# KiCad board SmartSpin2k_Panelized.kicad_pcb (continued)
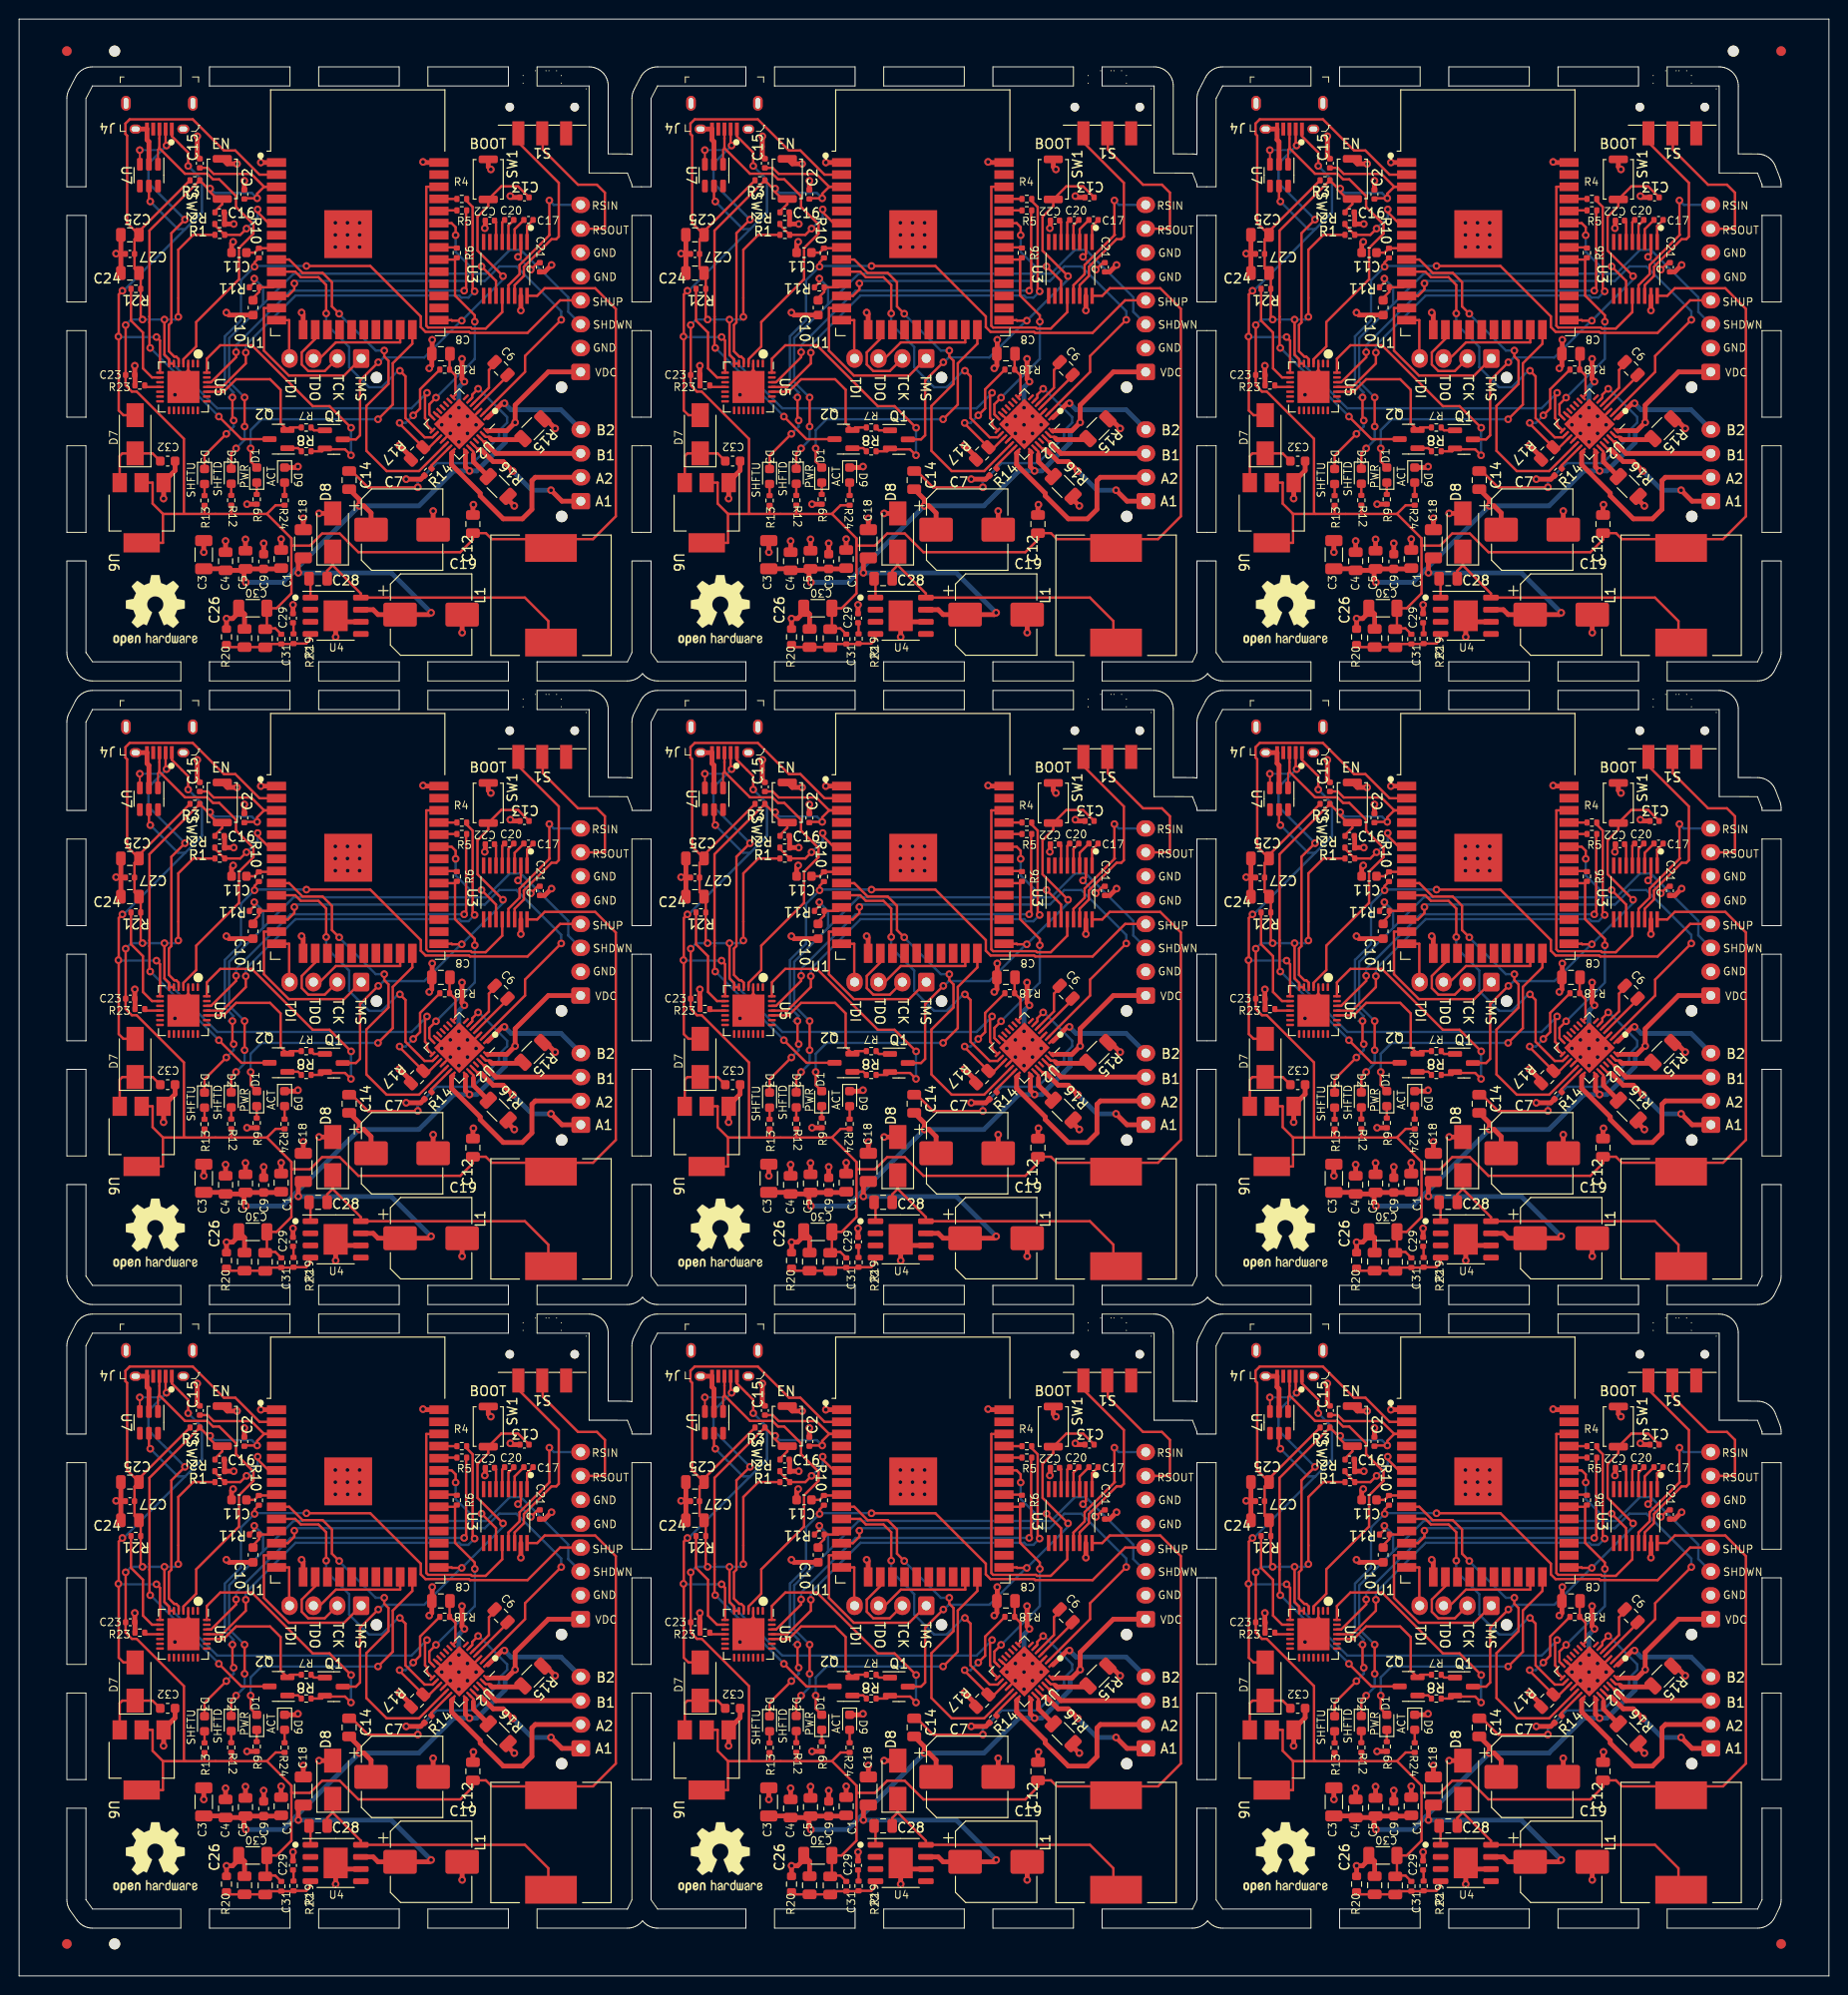
[diagram p0: board, top side]
## Routing (per net, layer and track width the routed paths; a pad name or vN(x,y) marks a point on that pad's centre or on a via; arc(x,y) is an arc through that point) (continued)
Board_6-GND: length 91.3
  Top w0.25: 44.24,32.38 43.7,32.93 U2#7.13 ; 17.7,37.38 U5.3 ; 44.93,30.74 U2#7.18 ; 47.58,32.69 U2#7.3
  Top w0.5: C13#4.2 51.55,55.63 v1(51.42,55.77) ; v1(27.43,19.85) C1#7.2 ; v1(43.34,22.79) C7#2.2 ; U7#7.2 13.59,61.46 13.39,61.66 J4#6.5 J4#6.SH ; v1(56.11,31.43) 55.11,32.44 R15#8.1 ; v1(29.19,27.45) 29.09,27.34 D9#7.1 ; v1(42.28,59.35) 42.43,59.35 42.5,59.28 U1#5.38 ; R16#6.1 51.18,23.99 v1(51.84,23.33) ; v1(15.12,24.09) 15.13,24.1 U6#9.1 15.13,25.83 16.32,27.03 C32#6.1 ; 17.7,37.38 17.7,36.35 v1(16.31,34.96) 16.39,34.96 U5.29 ; v1(55.73,48.55) 55.01,47.83 C21#5.2 ; v1(47.55,23.46) 47.5,23.41 C12#7.2 ; SW2#9.1 21.79,59.15 v1(22.81,59.15) ; C10#8.2 21.96,43.31 v1(21.7,43.58) ; C11#5.2 22.24,50.82 v1(22.41,50.98) ; R23#8.1 12.13,37.01 C23#2.2 v1(12.11,38) ; C3#5.2 19.33,18.48 v1(19.33,18.48) ; R17#8.2 41.02,28.45 v1(39.81,29.66) ; v1(43.24,40.72) 43.24,39.3 C8#5.2 43.2,38 v1(42.93,37.73) ; 10.65,49.71 10.65,49.75 ; 10.65,49.71 C24#5.1 ; 10.65,49.71 C27#3.2 ; 10.65,49.75 C25#5.2 ; 10.65,49.75 v1(10.15,49.75) ; U4#5.9 33.14,11.19 ; 33.14,11.19 v1(33.14,9.61) ; 33.14,11.19 U4#5.6 ; v1(25.6,19.41) C9.2 ; v1(21.61,19.65) C4#2.2 ; D8#4.2 31.4,22.54 v1(31.4,22.54) ; R20#7.2 v1(21.71,11.53) 22.34,11.53 22.98,12.17 C30#7.2 23.6,12 C26#2.2 ; 47.58,32.69 46.96,32.69 v1(46.94,32.71) ; v1(22.47,52.85) R2#8.1 21.51,54.02 C16.2 ; v1(25.3,59.28) U1#5.1 ; v1(52.52,43.79) U3#8.15 ; C18#2.2 v1(29.75,22.02) ; R9#6.1 23.86,23.51 v1(23.86,23.51) ; SW1#8.2 49.11,58.83 v1(49.38,58.56) ; v1(46.38,10.05) C19.2 ; 48.8,53.2 48.8,52.45 v1(48.75,52.4) ; v1(44.24,31.81) 44.24,32.38 ; v1(46.04,31.81) 46.08,31.86 U2#7.29 ; v1(40.52,26.13) 42.04,26.13 R14#8.1 ; C15#6.2 18.65,59.95 v1(18.65,62.03) ; C29#3.2 v1(28.67,12.97) ; 29.73,41.77 29.73,43.41 v1(29.57,43.58) ; v1(34.37,51.7) 34.45,51.78 U1#5.39 ; v1(46.61,36.34) 46.36,36.59 v1(46.36,38.72) ; v1(23.7,19.82) C5#4.2 ; 44.93,30.74 45.11,30.92 v1(45.14,30.92) ; v1(23.58,57.37) C2#2.2
  Bottom w0.5: v1(46.04,33.61) 46.04,35.76 v1(46.61,36.34)
  vias: v1(33.1,52.97) v1(33.1,51.7) v1(33.1,50.43) v1(34.37,52.97) v1(34.4,50.43) v1(35.64,52.97) v1(35.64,51.7) v1(35.64,50.43) v1(45.14,32.71) v1(46.04,30.02) v1(46.94,30.92) v1(47.83,31.81)
Board_6-Net-(C6-Pad1): length 5.4
  Top w0.25: C6#5.1 49.78,38.15 49.18,37.56 49.18,35.7 47.47,33.99 U2#7.5
Board_6-Net-(C6-Pad2): length 4.8
  Top w0.25: C6#5.2 51.12,36.93 U2#7.4
Board_6-Net-(C10-Pad1): length 3.6
  Top w0.25: C10#8.1 24.49,45.1 25.13,45.74 R11#7.1 26.58,46.22 U1#5.11
Board_6-Net-(C11-Pad1): length 3.4
  Top w0.25: C11#5.1 24.64,49.85 R10#3.1 26.86,50.31 U1#5.8
Board_6-Net-(C14-Pad2): length 27.3
  Top w0.25: v1(41.74,25.28) 41.72,25.26 36.53,25.26 34.82,26.97 C14#7.2 ; U2#7.6 47.44,34.66 47.44,34.98 v1(48.05,35.59)
  Bottom w0.25: v1(41.74,25.28) 41.72,25.29 41.72,25.82 43.7,27.8 47.48,27.8 50.23,30.55 50.23,31.19 51.08,32.04 51.08,32.63 48.12,35.59 v1(48.05,35.59)
Board_6-Net-(C17-Pad1): length 2.7
  Top w0.25: C17#2.1 51.87,52.3 U3#8.3
Board_6-Net-(C17-Pad2): length 2.6
  Top w0.25: C17#2.2 53.8,53.26 53.17,52.63 U3#8.1
Board_6-Net-(C20-Pad1): length 2.4
  Top w0.25: U3#8.5 50.57,53.02 C20#3.1
Board_6-Net-(C20-Pad2): length 2.5
  Top w0.25: U3#8.4 51.22,52.7 51.78,53.26 C20#3.2
Board_6-Net-(C21-Pad1): length 4.8
  Top w0.25: C21#5.1 54.29,48.79 v1(53.56,48.06) ; v1(52.22,49.41) 52.52,49.71 U3#8.2
  Bottom w0.25: v1(53.56,48.06) v1(52.22,49.41)
Board_6-Net-(C22-Pad1): length 2.3
  Top w0.25: 49.76,53.2 49.92,53.04 U3#8.6
Board_6-Net-(C26-Pad1): length 9.8
  Top w0.25: U4#5.4 30.5,9.35 30.06,8.91 R19#6.1 28.68,8.87 R22.1 26.11,8.87 C31#4.1 25.74,8.54 C26#2.1 21.95,8.54 21.71,8.78
Board_6-Net-(C28-Pad1): length 2
  Top w0.25: C28#8.1 30.5,15.56 U4#5.1
Board_6-Net-(C28-Pad2): length 31.4
  Top w0.25: 32.83,17.75 32.83,17.1 35.77,14.16 U4#5.8 52.94,13.73 55.4,11.27 55.4,8.85 ; 32.83,17.75 D8#4.1 ; 32.83,17.75 32.83,17.12 32.25,16.54 C28#8.2
Board_6-Net-(C29-Pad1): length 1.2
  Top w0.25: R19#6.2 28.73,11.03 C29#3.1
Board_6-Net-(D1-Pad1): length 1.2
  Top w0.25: D1#5.1 24.87,24.53
Board_6-Net-(D1-Pad2): length 28.8
  Top w0.25: v1(37.57,32.4) 39.11,33.94 39.11,38.26 41.16,40.31 U1#5.24 ; v1(24.24,29.35) 24.24,27.98 D1#5.2
  Bottom w0.25: v1(24.24,29.35) 24.24,31.26 25.38,32.4 v1(37.57,32.4)
Board_6-Net-(D2-Pad2): length 1.2
  Top w0.25: R12#4.1 D2#8.2
Board_6-Net-(D3-Pad2): length 1.2
  Top w0.25: D3#6.2 R13#4.2
Board_6-Net-(D9-Pad2): length 1.4
  Top w0.25: R24#8.1 D9#7.2
Board_6-Net-(J2-Pad1): length 17.8
  Top w0.25: J2#5.1 34.02,36.98 28.23,36.98 25.62,39.59 25.62,44.04 U1#5.13
Board_6-Net-(J2-Pad2): length 8.8
  Top w0.25: J2#5.2 31.99,37.45 30.27,37.45 29.58,38.13 29.58,39.4 31,40.82 U1#5.16
Board_6-Net-(J2-Pad3): length 11.1
  Top w0.25: U1#5.23 39.89,40.45 33.15,40.45 31.47,38.77 J2#5.3
Board_6-Net-(J2-Pad4): length 5.4
  Top w0.25: U1#5.14 28.27,42.77 28.27,38.77 J2#5.4
Board_6-Net-(Q1-Pad1): length 1.6
  Top w0.25: Q1#9.1 30.86,31.24 R7#8.1
Board_6-Net-(Q2-Pad1): length 1.6
  Top w0.25: Q2#8.1 28.1,29.38 29.21,29.38 R8#9.2
Board_6-Net-(R1-Pad2): length 9.4
  Top w0.25: R2#8.2 20.49,52.74 R1#9.2 23.15,51.71 v1(23.81,52.36) ; U1#5.6 26.12,52.93 24.97,54.08 v1(24.97,54.37)
  Bottom w0.25: v1(23.81,52.36) 24.97,53.53 v1(24.97,54.37)
Board_6-Net-(R4-Pad1): length 1.9
  Top w0.25: R4#5.1 43.95,55.47 U1#5.35
Board_6-Net-(R5-Pad1): length 1.9
  Top w0.25: U1#5.34 44.01,54.27 R5#2.1
Board_6-Net-(R14-Pad2): length 3
  Top w0.25: U2#7.20 43.16,27.56 43.16,27.25
Board_6-Net-(R17-Pad1): length 13.4
  Top w0.25: v1(41.26,32.81) 41.98,33.53 41.98,35.54 R18#7.2 ; v1(39.83,32.02) 39.83,31.94 R17#8.1 42.95,29.46 U2#7.17
  Bottom w0.25: v1(39.83,32.02) 40.46,32.02 v1(41.26,32.81)
Board_6-Net-(R21-Pad2): length 11
  Top w0.25: U5.9 13.91,36.78 12.96,37.73 12.96,41.48 11.71,42.73 R21#7.2
Board_6-Net-(R23-Pad2): length 1.7
  Top w0.25: U5.11 13.31,35.78 R23#8.2
Board_6-Net-(S1-Pad3): length 20.9
  Top w0.25: U3#8.14 51.87,46.45 52.84,47.41 52.84,48.36 55.73,51.26 56.23,51.26 56.5,51.53 56.5,57.16 52.18,61.47 52.18,62.22
Board_7-/A1: length 13.8
  Top w0.25: 107.26,29.2 107.22,29.2 U2#9.24
  Top w0.5: J1#2.1 115.98,23.82 v1(114.83,24.97) ; 107.26,29.2 107.54,29.2 108.77,27.97 109.83,27.97 v1(110.83,26.97)
  Bottom w0.5: v1(110.83,26.97) 112.83,24.97 v1(114.83,24.97)
Board_7-/A2: length 21.1
  Top w0.25: 104.55,28.97 U2#9.21
  Top w0.5: 104.55,28.97 104.42,28.84 104.42,27.65 107.42,24.65 107.42,24.38 109.83,21.97 111.83,21.97 112.83,22.97 112.83,25.97 113.18,26.32 J1#2.2
Board_7-/B1: length 11.3
  Top w0.25: 107.9,30.01 107.82,30.01 U2#9.26
  Top w0.5: J1#2.3 109.06,28.82 107.92,29.96
Board_7-/B2: length 11.7
  Top w0.25: 108.21,32.57 U2#9.1
  Top w0.5: v1(109.96,34.08) 109.71,34.08 108.21,32.57
  Bottom w0.5: v1(109.96,34.08) 110.64,33.39 115.88,33.39 J1#2.4
Board_7-/BRA: length 3.9
  Top w0.25: U2#9.23 106.7,29 106.7,28.72
  Top w0.5: 106.7,28.72 106.7,27.95 R16#4.2
Board_7-/BRB: length 4.5
  Top w0.25: U2#9.27 107.99,30.55 108.35,30.55 108.48,30.42
  Top w0.5: 108.48,30.42 108.64,30.26 111.78,30.26 R15#5.2
Board_7-/D+: length 35.2
  Top w0.2: 73.84,60.78 73.69,60.64 U7#8.1
  Top w0.25: J4.3 73.84,60.78 76.51,58.11 78.86,58.11 79.44,57.53 80.1,57.53 81.86,55.77 81.86,54.63 83.68,52.81 83.68,51.84 82.17,50.33 82.17,47.05 77.69,42.58 77.69,40.02 76.35,38.68 U5#4.4
Board_7-/D-: length 32.7
  Top w0.2: U7#8.3 71.79,60.57 v1(71.78,60.58)
  Top w0.25: v1(76.51,53.31) 75.09,51.88 75.09,42.54 74.83,42.28 74.83,39.52 75.39,38.95 75.6,38.95 75.85,38.7 U5#4.5 ; v1(74.58,61.06) 74.49,61.16 J4.2
  Bottom w0.2: v1(71.78,60.58) 74.1,60.58 v1(74.58,61.06)
  Bottom w0.25: v1(76.51,53.31) 72.69,57.13 72.69,59.17 v1(74.58,61.06)
Board_7-/DriverDIR: length 38.8
  Top w0.25: U2#9.19 101.02,26.97 97.62,26.97 95.5,29.1 95.5,33.8 97.81,36.11 97.81,38.52 97.37,38.96 v1(97.37,39.59) ; v1(92.66,43.45) 91.9,44.21 91.9,46.75 90.92,47.72 88.82,47.72 87.42,49.12 U1#9.9
  Bottom w0.25: v1(97.37,39.59) 96.48,39.59 92.66,43.42 v1(92.66,43.45)
Board_7-/DriverEN: length 47.6
  Top w0.25: U1#9.12 87.28,45.31 87.96,45.99 v1(87.96,46.62) ; v1(115.9,42.81) 112.11,39.03 112.11,37.36 U2#9.2
  Bottom w0.25: v1(87.96,46.62) 88.21,46.88 107.9,46.88 109.42,48.4 111.2,48.4 115.9,43.7 v1(115.9,42.81)
Board_7-/DriverSTEP: length 31.7
  Top w0.25: U1#9.10 88.06,47.85 88.64,47.27 90.48,47.27 91.29,46.46 v1(91.29,43.48) ; U2#9.16 102.43,30.5 101.61,30.5 99.6,32.51 99.6,36.89 v1(99.01,37.48)
  Bottom w0.25: v1(91.29,43.48) 91.29,42.37 93.7,39.97 93.7,37.83 95.78,35.75 97.1,35.75 98.83,37.48 v1(99.01,37.48)
Board_7-/DTR: length 28.2
  Top w0.25: v1(93.9,31.51) 91.64,33.77 89.89,33.77 83.51,40.15 80.21,40.15 78.8,38.74 U5#4.28 ; v1(93.89,28.63) 93.27,29.25 91.25,29.25 Q1#8.2 90.87,29.05 R8#7.1
  Bottom w0.25: v1(93.9,31.51) 93.89,31.5 v1(93.89,28.63)
Board_7-/EN: length 59.6
  Top w0.25: v1(80.06,32.68) 82.42,30.32 85.3,30.32 ; v1(72.87,39.87) 72.8,39.94 72.8,42.54 72.8,42.54 72.8,43.14 72.8,43.14 72.8,52.16 R3#7.2 78.93,56.55 v1(79.15,56.55) 79.15,56.2 79.88,55.47 SW2.2 80.42,54.93 79.66,54.17 C16#6.1 ; C2#4.1 82.73,55.46 82.81,55.54 v1(84.07,55.54) 84.07,56.02 84.8,56.74 U1#9.3 84.8,56.74 83.45,58.09 79.51,58.09 78.89,58.72 C15.1
  Bottom w0.25: v1(72.87,39.87) 72.9,39.87 80.06,32.7 v1(80.06,32.68) ; v1(84.07,55.54) 83.51,56.1 79.6,56.1 v1(79.15,56.55)
Board_7-/IO0_BOOT: length 44.7
  Top w0.25: v1(96.75,38.37) 94.84,36.46 94.84,30.72 94.41,30.29 Q1#8.3 ; C13#8.1 112.53,55.64 111.38,56.78 109.62,56.78 SW1.1 108.26,54.73 107.14,53.61 107.14,50.05 v1(109.8,47.39) ; v1(105.48,42.72) 104.47,42.72 104.42,42.77 U1#9.25
  Bottom w0.25: v1(109.8,47.39) 109.8,47.04 v1(105.48,42.72) 105.42,42.72 101.57,38.87 97.31,38.87 96.81,38.37 v1(96.75,38.37)
Board_7-/R1OUT: length 26.4
  Top w0.25: U3.12 109.72,43.62 107.99,41.89 106.55,41.89 106.44,42 101.96,42 101.77,42.19 101.77,56.74 U1#9.36
Board_7-/REG_5V: length 7.5
  Top w0.25: U6#4.3 69.68,28.55 69.96,28.82 D7#7.1 73.12,28.82 C32#5.2
Board_7-/RS232IN1: length 15.3
  Top w0.25: U3.13 110.37,46.43 111.54,47.6 111.54,48.55 114.7,51.71 114.65,51.75 v1(114.65,55.31)
  Bottom w0.25: J3#3.8 115.11,54.85 v1(114.65,55.31)
Board_7-/RS232OUT1: length 16.4
  Top w0.25: 113.83,62.22 113.97,62.08 113.97,60.65 117.65,56.96 119.63,56.96 120.47,56.12 120.47,52.31 120.43,52.35 J3#3.7
Board_7-/RTS: length 14.8
  Top w0.25: R7#5.2 87.51,31.54 Q2#7.2 86.52,31.98 86.52,35.48 85.42,36.59 81.86,36.59 80.55,35.28 U5#4.24
Board_7-/RXD0: length 40.2
  Top w0.25: R5#3.2 105.94,54.21 105.94,46.07 v1(105.74,45.86) ; v1(81.86,39.42) 81.86,38.89 79.25,36.28 U5#4.26
  Bottom w0.25: v1(81.86,39.42) 81.86,40.15 87.58,45.86 v1(105.74,45.86)
Board_7-/ShiftDown: length 63.9
  Top w0.25: v1(81.86,29.35) 81.36,28.84 D2#4.1 ; R11#8.2 83.77,46.73 v1(83.77,47.13) ; v1(82.75,34.69) v1(82.75,31.64)
  Bottom w0.25: 84.68,44.44 81.14,40.89 81.14,36.3 v1(82.75,34.69) ; 84.68,44.44 87.88,47.64 108.02,47.64 110.52,50.13 111.67,50.13 116.63,45.17 116.63,43.65 J3#3.3 ; 84.68,44.44 84.68,46.22 v1(83.77,47.13) ; v1(81.86,29.35) 82.75,30.24 v1(82.75,31.64)
Board_7-/ShiftUp: length 65
  Top w0.25: v1(80.84,30.87) 78.56,28.59 D3#2.1 ; v1(89.23,48.45) 89.23,48.45 95.91,48.45 101.2,43.16 101.2,42.05 101.7,41.55 106.26,41.55 106.36,41.44 112.37,41.44 115.78,44.85 J3#3.4 ; R10#9.2 83.79,48.83 v1(83.79,48.38) ; v1(81.48,34.69) 81.48,32.4 v1(81.61,32.27)
  Bottom w0.25: v1(81.61,32.27) 81.61,31.64 v1(80.84,30.87) ; v1(89.23,48.45) 89.22,48.45 83.87,48.45 v1(83.79,48.38) 82.37,46.95 82.37,42.76 80.69,41.08 80.69,36.11 81.6,35.2 81.09,34.69 v1(81.48,34.69)
Board_7-/T1IN: length 11.6
  Top w0.25: U1#9.33 104.42,52.93 104.85,52.51 v1(104.85,51.67) ; U3.11 109.07,46.88 v1(107.56,48.4)
  Bottom w0.25: v1(107.56,48.4) 106.37,48.4 104.85,49.93 v1(104.85,51.67)
Board_7-/TMCUART1: length 21.5
  Top w0.25: v1(102.79,34.66) 102.09,33.97 102.09,32.91 U2#9.14 ; 104.78,49.12 R6#8.1 ; 104.78,49.12 U1#9.30 ; 104.78,49.12 104.78,45.35 106.85,43.28 v1(106.85,42.62)
  Bottom w0.25: v1(106.85,42.62) 106.85,38.72 v1(102.79,34.66)
Board_7-/TMCUART2: length 1.9
  Top w0.25: U1#9.31 104.91,50.39 R6#8.2
Board_7-/TXD0: length 43.5
  Top w0.25: v1(106.83,45.79) 106.63,46 106.63,54.62 106,55.25 R4#8.2 ; v1(82.88,39.38) 82.88,38.24 80.42,35.78 U5#4.25
  Bottom w0.25: v1(106.83,45.79) 106.18,45.14 105.44,45.14 105.22,45.35 88.09,45.35 82.88,40.15 v1(82.88,39.38)
Board_7-/VDC: length 92.1
  Top w0.25: U2#9.28 108.17,31.21 108.18,31.21 ; 105.87,29.02 105.87,29.04 U2#9.22
  Top w0.5: C7#4.1 95.99,22.59 95.25,23.33 v1(94.76,23.33) 94.76,24.01 C14#5.1 ; 82.69,16.58 C5#9.1 82.85,16.73 C9#2.1 86.5,16.73 C1#8.1 ; 82.69,16.58 82.69,15.51 v1(82.88,15.32) ; 82.69,16.58 C4#3.1 80.6,16.75 C3.1 ; U4#3.7 96.22,12.46 96.73,11.94 C19#7.1 102.08,11.94 v1(102.28,12.14) ; C18#9.1 88.38,17.36 v1(88.38,16.32) ; J3#3.1 114.55,37.35 111.07,33.88 v1(111.07,32.07) 110.21,31.21 108.18,31.21 ; v1(106.3,26.99) 105.87,27.42 105.87,29.02
  Bottom w0.5: v1(82.88,15.32) 86.75,15.32 88.06,16.63 ; 88.06,16.63 v1(94.76,23.33) 101,23.33 104.65,26.99 v1(106.3,26.99) 107.06,26.99 110.03,29.96 110.03,31.03 v1(111.07,32.07) ; 88.06,16.63 88.37,16.32 v1(88.38,16.32) 88.39,16.31 98.11,16.31 v1(102.28,12.14)
Board_7-GND: length 91.3
  Top w0.25: 103.39,32.38 102.85,32.93 U2#9.13 ; 76.85,37.38 U5#4.3 ; 104.08,30.74 U2#9.18 ; 106.73,32.69 U2#9.3
  Top w0.5: C13#8.2 110.7,55.63 v1(110.56,55.77) ; v1(86.58,19.85) C1#8.2 ; v1(102.49,22.79) C7#4.2 ; U7#8.2 72.74,61.46 72.54,61.66 J4.5 J4.SH ; v1(115.26,31.43) 114.26,32.44 R15#5.1 ; v1(88.34,27.45) 88.24,27.34 D9#9.1 ; v1(101.43,59.35) 101.58,59.35 101.65,59.28 U1#9.38 ; R16#4.1 110.33,23.99 v1(110.99,23.33) ; v1(74.27,24.09) 74.28,24.1 U6#4.1 74.28,25.83 75.47,27.03 C32#5.1 ; 76.85,37.38 76.85,36.35 v1(75.46,34.96) 75.54,34.96 U5#4.29 ; v1(114.88,48.55) 114.16,47.83 C21#8.2 ; v1(106.7,23.46) 106.65,23.41 C12.2 ; SW2.1 80.94,59.15 v1(81.96,59.15) ; C10#7.2 81.11,43.31 v1(80.85,43.58) ; C11#6.2 81.39,50.82 v1(81.56,50.98) ; R23#2.1 71.28,37.01 C23.2 v1(71.26,38) ; C3.2 78.48,18.48 v1(78.48,18.48) ; R17#9.2 100.17,28.45 v1(98.96,29.66) ; v1(102.39,40.72) 102.39,39.3 C8#7.2 102.35,38 v1(102.08,37.73) ; 69.8,49.71 69.8,49.75 ; 69.8,49.71 C24.1 ; 69.8,49.71 C27#9.2 ; 69.8,49.75 C25#9.2 ; 69.8,49.75 v1(69.3,49.75) ; U4#3.9 92.29,11.19 ; 92.29,11.19 v1(92.29,9.61) ; 92.29,11.19 U4#3.6 ; v1(84.75,19.41) C9#2.2 ; v1(80.76,19.65) C4#3.2 ; D8#6.2 90.55,22.54 v1(90.55,22.54) ; R20#9.2 v1(80.86,11.53) 81.49,11.53 82.14,12.17 C30#8.2 82.75,12 C26#8.2 ; 106.73,32.69 106.11,32.69 v1(106.09,32.71) ; v1(81.62,52.85) R2#2.1 80.66,54.02 C16#6.2 ; v1(84.45,59.28) U1#9.1 ; v1(111.67,43.79) U3.15 ; C18#9.2 v1(88.9,22.02) ; R9#7.1 83.01,23.51 v1(83.01,23.51) ; SW1.2 108.26,58.83 v1(108.53,58.56) ; v1(105.53,10.05) C19#7.2 ; C22#8.2 107.95,52.45 v1(107.9,52.4) ; v1(103.39,31.81) 103.39,32.38 ; v1(105.19,31.81) 105.23,31.86 U2#9.29 ; v1(99.67,26.13) 101.19,26.13 R14#2.1 ; C15.2 77.8,59.95 v1(77.8,62.03) ; C29#5.2 v1(87.82,12.97) ; U1#9.15 88.88,43.41 v1(88.72,43.58) ; v1(93.52,51.7) 93.6,51.78 U1#9.39 ; v1(105.76,36.34) 105.51,36.59 v1(105.51,38.72) ; v1(82.85,19.82) C5#9.2 ; 104.08,30.74 104.26,30.92 v1(104.29,30.92) ; v1(82.73,57.37) C2#4.2
  Bottom w0.5: v1(105.19,33.61) 105.19,35.76 v1(105.76,36.34)
  vias: v1(92.25,52.97) v1(92.25,51.7) v1(92.25,50.43) v1(93.52,52.97) v1(93.55,50.43) v1(94.79,52.97) v1(94.79,51.7) v1(94.79,50.43) v1(104.29,32.71) v1(105.19,30.02) v1(106.09,30.92) v1(106.98,31.81)
Board_7-Net-(C6-Pad1): length 5.4
  Top w0.25: C6#3.1 108.93,38.15 108.33,37.56 108.33,35.7 106.62,33.99 U2#9.5
Board_7-Net-(C6-Pad2): length 4.8
  Top w0.25: C6#3.2 110.27,36.93 U2#9.4
Board_7-Net-(C10-Pad1): length 3.6
  Top w0.25: C10#7.1 83.64,45.1 84.28,45.74 R11#8.1 85.73,46.22 U1#9.11
Board_7-Net-(C11-Pad1): length 3.4
  Top w0.25: C11#6.1 83.79,49.85 R10#9.1 86.01,50.31 U1#9.8
Board_7-Net-(C14-Pad2): length 27.3
  Top w0.25: v1(100.89,25.28) 100.87,25.26 95.68,25.26 93.97,26.97 C14#5.2 ; U2#9.6 106.59,34.66 106.59,34.98 v1(107.2,35.59)
  Bottom w0.25: v1(100.89,25.28) 100.87,25.29 100.87,25.82 102.85,27.8 106.63,27.8 109.38,30.55 109.38,31.19 110.23,32.04 110.23,32.63 107.27,35.59 v1(107.2,35.59)
Board_7-Net-(C17-Pad1): length 2.7
  Top w0.25: C17#5.1 111.02,52.3 U3.3
Board_7-Net-(C17-Pad2): length 2.6
  Top w0.25: C17#5.2 112.95,53.26 112.32,52.63 U3.1
Board_7-Net-(C20-Pad1): length 2.4
  Top w0.25: U3.5 109.72,53.02 C20#5.1
Board_7-Net-(C20-Pad2): length 2.5
  Top w0.25: U3.4 110.37,52.7 110.93,53.26 C20#5.2
Board_7-Net-(C21-Pad1): length 4.8
  Top w0.25: C21#8.1 113.44,48.79 v1(112.71,48.06) ; v1(111.37,49.41) 111.67,49.71 U3.2
  Bottom w0.25: v1(112.71,48.06) v1(111.37,49.41)
Board_7-Net-(C22-Pad1): length 2.3
  Top w0.25: C22#8.1 109.07,53.04 U3.6
Board_7-Net-(C26-Pad1): length 9.8
  Top w0.25: U4#3.4 89.65,9.35 89.21,8.91 R19#7.1 87.83,8.87 R22#7.1 85.26,8.87 C31#9.1 84.89,8.54 C26#8.1 81.11,8.54 80.86,8.78
Board_7-Net-(C28-Pad1): length 2
  Top w0.25: C28#4.1 89.65,15.56 U4#3.1
Board_7-Net-(C28-Pad2): length 31.4
  Top w0.25: 91.98,17.75 91.98,17.1 94.92,14.16 U4#3.8 112.09,13.73 114.55,11.27 114.55,8.85 ; 91.98,17.75 D8#6.1 ; 91.98,17.75 91.98,17.12 91.4,16.54 C28#4.2
Board_7-Net-(C29-Pad1): length 1.2
  Top w0.25: R19#7.2 87.88,11.03 C29#5.1
Board_7-Net-(D1-Pad1): length 1.2
  Top w0.25: D1#9.1 84.02,24.53
Board_7-Net-(D1-Pad2): length 28.8
  Top w0.25: v1(96.72,32.4) 98.26,33.94 98.26,38.26 100.31,40.31 U1#9.24 ; v1(83.39,29.35) 83.39,27.98 D1#9.2
  Bottom w0.25: v1(83.39,29.35) 83.39,31.26 84.53,32.4 v1(96.72,32.4)
Board_7-Net-(D2-Pad2): length 1.2
  Top w0.25: R12#7.1 D2#4.2
Board_7-Net-(D3-Pad2): length 1.2
  Top w0.25: D3#2.2 R13#3.2
Board_7-Net-(D9-Pad2): length 1.4
  Top w0.25: R24#2.1 D9#9.2
Board_7-Net-(J2-Pad1): length 17.8
  Top w0.25: J2#3.1 93.17,36.98 87.38,36.98 84.77,39.59 84.77,44.04 U1#9.13
Board_7-Net-(J2-Pad2): length 8.8
  Top w0.25: J2#3.2 91.14,37.45 89.42,37.45 88.73,38.13 88.73,39.4 90.15,40.82 U1#9.16
Board_7-Net-(J2-Pad3): length 11.1
  Top w0.25: U1#9.23 99.04,40.45 92.3,40.45 90.62,38.77 J2#3.3
Board_7-Net-(J2-Pad4): length 5.4
  Top w0.25: U1#9.14 87.42,42.77 87.42,38.77 J2#3.4
Board_7-Net-(Q1-Pad1): length 1.6
  Top w0.25: Q1#8.1 90.01,31.24 R7#5.1
Board_7-Net-(Q2-Pad1): length 1.6
  Top w0.25: Q2#7.1 87.25,29.38 88.36,29.38 R8#7.2
Board_7-Net-(R1-Pad2): length 9.4
  Top w0.25: R2#2.2 79.64,52.74 R1#5.2 82.3,51.71 v1(82.96,52.36) ; U1#9.6 85.27,52.93 84.12,54.08 v1(84.12,54.37)
  Bottom w0.25: v1(82.96,52.36) 84.12,53.53 v1(84.12,54.37)
Board_7-Net-(R4-Pad1): length 1.9
  Top w0.25: R4#8.1 103.1,55.47 U1#9.35
Board_7-Net-(R5-Pad1): length 1.9
  Top w0.25: U1#9.34 103.16,54.27 R5#3.1
Board_7-Net-(R14-Pad2): length 3
  Top w0.25: U2#9.20 102.31,27.56 R14#2.2
Board_7-Net-(R17-Pad1): length 13.4
  Top w0.25: v1(100.41,32.81) 101.13,33.53 101.13,35.54 R18#8.2 ; v1(98.98,32.02) 98.98,31.94 R17#9.1 102.1,29.46 U2#9.17
  Bottom w0.25: v1(98.98,32.02) 99.61,32.02 v1(100.41,32.81)
Board_7-Net-(R21-Pad2): length 11
  Top w0.25: U5#4.9 73.06,36.78 72.11,37.73 72.11,41.48 70.86,42.73 R21#9.2
Board_7-Net-(R23-Pad2): length 1.7
  Top w0.25: U5#4.11 72.46,35.78 R23#2.2
Board_7-Net-(S1-Pad3): length 20.9
  Top w0.25: U3.14 111.02,46.45 111.99,47.41 111.99,48.36 114.88,51.26 115.38,51.26 115.65,51.53 115.65,57.16 111.33,61.47 111.33,62.22
Board_8-/A1: length 13.8
  Top w0.25: 166.41,29.2 166.37,29.2 U2#4.24
  Top w0.5: J1#8.1 175.13,23.82 v1(173.98,24.97) ; 166.41,29.2 166.69,29.2 167.92,27.97 168.98,27.97 v1(169.98,26.97)
  Bottom w0.5: v1(169.98,26.97) 171.98,24.97 v1(173.98,24.97)
Board_8-/A2: length 21.1
  Top w0.25: 163.7,28.97 U2#4.21
  Top w0.5: 163.7,28.97 163.57,28.84 163.57,27.65 166.57,24.65 166.57,24.38 168.98,21.97 170.98,21.97 171.98,22.97 171.98,25.97 172.33,26.32 J1#8.2
Board_8-/B1: length 11.3
  Top w0.25: 167.05,30.01 166.97,30.01 U2#4.26
  Top w0.5: J1#8.3 168.21,28.82 167.07,29.96
Board_8-/B2: length 11.7
  Top w0.25: 167.36,32.57 U2#4.1
  Top w0.5: v1(169.11,34.08) 168.86,34.08 167.36,32.57
  Bottom w0.5: v1(169.11,34.08) 169.79,33.39 175.03,33.39 J1#8.4
Board_8-/BRA: length 3.9
  Top w0.25: U2#4.23 165.85,29 165.85,28.72
  Top w0.5: 165.85,28.72 165.85,27.95 R16#9.2
Board_8-/BRB: length 4.5
  Top w0.25: U2#4.27 167.14,30.55 167.5,30.55 167.63,30.42
  Top w0.5: 167.63,30.42 167.79,30.26 170.93,30.26 R15#4.2
Board_8-/D+: length 35.2
  Top w0.2: 132.99,60.78 132.84,60.64 U7.1
  Top w0.25: J4#7.3 132.99,60.78 135.66,58.11 138.01,58.11 138.59,57.53 139.25,57.53 141.01,55.77 141.01,54.63 142.83,52.81 142.83,51.84 141.32,50.33 141.32,47.05 136.84,42.58 136.84,40.02 135.5,38.68 U5#5.4
Board_8-/D-: length 32.7
  Top w0.2: U7.3 130.94,60.57 v1(130.93,60.58)
  Top w0.25: v1(135.66,53.31) 134.24,51.88 134.24,42.54 133.98,42.28 133.98,39.52 134.54,38.95 134.75,38.95 135,38.7 U5#5.5 ; v1(133.73,61.06) 133.64,61.16 J4#7.2
  Bottom w0.2: v1(130.93,60.58) 133.25,60.58 v1(133.73,61.06)
  Bottom w0.25: v1(135.66,53.31) 131.84,57.13 131.84,59.17 v1(133.73,61.06)
Board_8-/DriverDIR: length 38.8
  Top w0.25: U2#4.19 160.17,26.97 156.77,26.97 154.65,29.1 154.65,33.8 156.96,36.11 156.96,38.52 156.52,38.96 v1(156.52,39.59) ; v1(151.81,43.45) 151.05,44.21 151.05,46.75 150.07,47.72 147.97,47.72 146.57,49.12 U1#6.9
  Bottom w0.25: v1(156.52,39.59) 155.63,39.59 151.81,43.42 v1(151.81,43.45)
Board_8-/DriverEN: length 47.6
  Top w0.25: U1#6.12 146.44,45.31 147.11,45.99 v1(147.11,46.62) ; v1(175.05,42.81) 171.26,39.03 171.26,37.36 U2#4.2
  Bottom w0.25: v1(147.11,46.62) 147.36,46.88 167.05,46.88 168.57,48.4 170.35,48.4 175.05,43.7 v1(175.05,42.81)
Board_8-/DriverSTEP: length 31.7
  Top w0.25: U1#6.10 147.21,47.85 147.79,47.27 149.63,47.27 150.44,46.46 v1(150.44,43.48) ; U2#4.16 161.58,30.5 160.76,30.5 158.75,32.51 158.75,36.89 v1(158.16,37.48)
  Bottom w0.25: v1(150.44,43.48) 150.44,42.37 152.85,39.97 152.85,37.83 154.93,35.75 156.25,35.75 157.98,37.48 v1(158.16,37.48)
Board_8-/DTR: length 28.2
  Top w0.25: v1(153.05,31.51) 150.79,33.77 149.04,33.77 142.66,40.15 139.36,40.15 137.95,38.74 U5#5.28 ; v1(153.04,28.63) 152.42,29.25 150.4,29.25 Q1#6.2 150.02,29.05 R8#2.1
  Bottom w0.25: v1(153.05,31.51) 153.04,31.5 v1(153.04,28.63)
Board_8-/EN: length 59.6
  Top w0.25: v1(139.21,32.68) 141.57,30.32 144.45,30.32 ; v1(132.02,39.87) 131.95,39.94 131.95,42.54 131.95,42.54 131.95,43.14 131.95,43.14 131.95,52.16 R3#8.2 138.08,56.55 v1(138.3,56.55) 138.3,56.2 139.03,55.47 SW2#6.2 139.57,54.93 138.81,54.17 C16#7.1 ; C2#5.1 141.88,55.46 141.96,55.54 v1(143.22,55.54) 143.22,56.02 143.95,56.74 U1#6.3 143.95,56.74 142.6,58.09 138.66,58.09 138.04,58.72 C15#2.1
  Bottom w0.25: v1(132.02,39.87) 132.05,39.87 139.21,32.7 v1(139.21,32.68) ; v1(143.22,55.54) 142.66,56.1 138.75,56.1 v1(138.3,56.55)
Board_8-/IO0_BOOT: length 44.7
  Top w0.25: v1(155.9,38.37) 153.99,36.46 153.99,30.72 153.56,30.29 Q1#6.3 ; C13#7.1 171.68,55.64 170.53,56.78 168.77,56.78 SW1#6.1 167.41,54.73 166.29,53.61 166.29,50.05 v1(168.95,47.39) ; v1(164.63,42.72) 163.62,42.72 163.57,42.77 U1#6.25
  Bottom w0.25: v1(168.95,47.39) 168.95,47.04 v1(164.63,42.72) 164.57,42.72 160.72,38.87 156.46,38.87 155.96,38.37 v1(155.9,38.37)
Board_8-/R1OUT: length 26.4
  Top w0.25: U3#2.12 168.87,43.62 167.14,41.89 165.7,41.89 165.59,42 161.11,42 160.92,42.19 160.92,56.74 U1#6.36
Board_8-/REG_5V: length 7.5
  Top w0.25: U6#7.3 128.83,28.55 129.11,28.82 D7#3.1 132.27,28.82 C32.2
Board_8-/RS232IN1: length 15.3
  Top w0.25: U3#2.13 169.52,46.43 170.69,47.6 170.69,48.55 173.85,51.71 173.8,51.75 v1(173.8,55.31)
  Bottom w0.25: J3#5.8 174.26,54.85 v1(173.8,55.31)
Board_8-/RS232OUT1: length 16.4
  Top w0.25: 172.98,62.22 173.12,62.08 173.12,60.65 176.8,56.96 178.78,56.96 179.62,56.12 179.62,52.31 179.58,52.35 J3#5.7
Board_8-/RTS: length 14.8
  Top w0.25: R7#4.2 146.66,31.54 Q2#3.2 145.67,31.98 145.67,35.48 144.57,36.59 141.01,36.59 139.7,35.28 U5#5.24
Board_8-/RXD0: length 40.2
  Top w0.25: R5#5.2 165.09,54.21 165.09,46.07 v1(164.89,45.86) ; v1(141.01,39.42) 141.01,38.89 138.4,36.28 U5#5.26
  Bottom w0.25: v1(141.01,39.42) 141.01,40.15 146.73,45.86 v1(164.89,45.86)
Board_8-/ShiftDown: length 63.9
  Top w0.25: v1(141.01,29.35) 140.5,28.84 D2#5.1 ; R11#5.2 142.92,46.73 v1(142.92,47.13) ; v1(141.9,34.69) v1(141.9,31.64)
  Bottom w0.25: 143.83,44.44 140.29,40.89 140.29,36.3 v1(141.9,34.69) ; 143.83,44.44 147.03,47.64 167.17,47.64 169.67,50.13 170.82,50.13 175.78,45.17 175.78,43.65 J3#5.3 ; 143.83,44.44 143.83,46.22 v1(142.92,47.13) ; v1(141.01,29.35) 141.9,30.24 v1(141.9,31.64)
Board_8-/ShiftUp: length 65
  Top w0.25: v1(139.99,30.87) 137.71,28.59 D3#8.1 ; J3#5.4 174.93,44.85 171.52,41.44 165.51,41.44 165.41,41.55 160.85,41.55 160.35,42.05 160.35,43.16 155.06,48.45 v1(148.38,48.45) ; R10.2 142.94,48.83 v1(142.94,48.38) ; v1(140.63,34.69) 140.63,32.4 v1(140.76,32.27)
  Bottom w0.25: v1(140.76,32.27) 140.76,31.64 v1(139.99,30.87) ; v1(148.38,48.45) 148.37,48.45 143.02,48.45 v1(142.94,48.38) 141.52,46.95 141.52,42.76 139.84,41.08 139.84,36.11 140.75,35.2 140.24,34.69 v1(140.63,34.69)
Board_8-/T1IN: length 11.6
  Top w0.25: U1#6.33 163.57,52.93 164,52.51 v1(164,51.67) ; U3#2.11 168.22,46.88 v1(166.71,48.4)
  Bottom w0.25: v1(166.71,48.4) 165.52,48.4 164,49.93 v1(164,51.67)
Board_8-/TMCUART1: length 21.5
  Top w0.25: v1(161.94,34.66) 161.24,33.97 161.24,32.91 U2#4.14 ; 163.93,49.12 R6#3.1 ; 163.93,49.12 U1#6.30 ; 163.93,49.12 163.93,45.35 166,43.28 v1(166,42.62)
  Bottom w0.25: v1(166,42.62) 166,38.72 v1(161.94,34.66)
Board_8-/TMCUART2: length 1.9
  Top w0.25: U1#6.31 164.06,50.39 R6#3.2
Board_8-/TXD0: length 43.5
  Top w0.25: v1(165.98,45.79) 165.78,46 165.78,54.62 165.15,55.25 R4#4.2 ; v1(142.03,39.38) 142.03,38.24 139.57,35.78 U5#5.25
  Bottom w0.25: v1(165.98,45.79) 165.33,45.14 164.59,45.14 164.37,45.35 147.24,45.35 142.03,40.15 v1(142.03,39.38)
Board_8-/VDC: length 92.1
  Top w0.25: U2#4.28 167.32,31.21 167.33,31.21 ; 165.02,29.02 165.02,29.04 U2#4.22
  Top w0.5: C7.1 155.14,22.59 154.4,23.33 v1(153.91,23.33) 153.91,24.01 C14#2.1 ; 141.84,16.58 C5#3.1 142,16.73 C9#5.1 145.65,16.73 C1#4.1 ; 141.84,16.58 141.84,15.51 v1(142.03,15.32) ; 141.84,16.58 C4.1 139.75,16.75 C3#7.1 ; U4#7.7 155.37,12.46 155.88,11.94 C19#6.1 161.23,11.94 v1(161.43,12.14) ; C18#8.1 147.53,17.36 v1(147.53,16.32) ; J3#5.1 173.7,37.35 170.22,33.88 v1(170.22,32.07) 169.36,31.21 167.33,31.21 ; v1(165.45,26.99) 165.02,27.42 165.02,29.02
  Bottom w0.5: v1(142.03,15.32) 145.9,15.32 147.21,16.63 ; 147.21,16.63 v1(153.91,23.33) 160.15,23.33 163.8,26.99 v1(165.45,26.99) 166.21,26.99 169.18,29.96 169.18,31.03 v1(170.22,32.07) ; 147.21,16.63 147.52,16.32 v1(147.53,16.32) 147.54,16.31 157.26,16.31 v1(161.43,12.14)
Board_8-GND: length 91.3
  Top w0.25: 162.54,32.38 162,32.93 U2#4.13 ; 136,37.38 U5#5.3 ; 163.23,30.74 U2#4.18 ; 165.88,32.69 U2#4.3
  Top w0.5: C13#7.2 169.85,55.63 v1(169.72,55.77) ; v1(145.73,19.85) C1#4.2 ; v1(161.64,22.79) C7.2 ; U7.2 131.89,61.46 131.69,61.66 J4#7.5 J4#7.SH ; v1(174.41,31.43) 173.41,32.44 R15#4.1 ; v1(147.49,27.45) 147.39,27.34 D9#8.1 ; v1(160.58,59.35) 160.73,59.35 160.8,59.28 U1#6.38 ; R16#9.1 169.48,23.99 v1(170.14,23.33) ; v1(133.42,24.09) 133.43,24.1 U6#7.1 133.43,25.83 134.62,27.03 C32.1 ; 136,37.38 136,36.35 v1(134.61,34.96) 134.69,34.96 U5#5.29 ; v1(174.03,48.55) 173.31,47.83 C21#3.2 ; v1(165.85,23.46) 165.8,23.41 C12#3.2 ; SW2#6.1 140.09,59.15 v1(141.11,59.15) ; C10#2.2 140.26,43.31 v1(140,43.58) ; C11#4.2 140.54,50.82 v1(140.71,50.98) ; R23#9.1 130.43,37.01 C23#5.2 v1(130.41,38) ; C3#7.2 137.63,18.48 v1(137.63,18.48) ; R17#6.2 159.32,28.45 v1(158.11,29.66) ; v1(161.54,40.72) 161.54,39.3 C8#4.2 161.5,38 v1(161.23,37.73) ; 128.95,49.71 128.95,49.75 ; 128.95,49.71 C24#2.1 ; 128.95,49.71 C27#5.2 ; 128.95,49.75 C25#6.2 ; 128.95,49.75 v1(128.45,49.75) ; U4#7.9 151.44,11.19 ; 151.44,11.19 v1(151.44,9.61) ; 151.44,11.19 U4#7.6 ; v1(143.9,19.41) C9#5.2 ; v1(139.91,19.65) C4.2 ; D8#5.2 149.7,22.54 v1(149.7,22.54) ; R20#4.2 v1(140.01,11.53) 140.64,11.53 141.28,12.17 C30#6.2 141.9,12 C26#3.2 ; 165.88,32.69 165.26,32.69 v1(165.24,32.71) ; v1(140.77,52.85) R2#7.1 139.81,54.02 C16#7.2 ; v1(143.6,59.28) U1#6.1 ; v1(170.82,43.79) U3#2.15 ; C18#8.2 v1(148.05,22.02) ; R9#5.1 142.16,23.51 v1(142.16,23.51) ; SW1#6.2 167.41,58.83 v1(167.68,58.56) ; v1(164.68,10.05) C19#6.2 ; C22#2.2 167.1,52.45 v1(167.05,52.4) ; v1(162.54,31.81) 162.54,32.38 ; v1(164.34,31.81) 164.38,31.86 U2#4.29 ; v1(158.82,26.13) 160.34,26.13 R14#6.1 ; C15#2.2 136.95,59.95 v1(136.95,62.03) ; C29#8.2 v1(146.97,12.97) ; U1#6.15 148.03,43.41 v1(147.87,43.58) ; v1(152.67,51.7) 152.75,51.78 U1#6.39 ; v1(164.91,36.34) 164.66,36.59 v1(164.66,38.72) ; v1(142,19.82) C5#3.2 ; 163.23,30.74 163.41,30.92 v1(163.44,30.92) ; v1(141.88,57.37) C2#5.2
  Bottom w0.5: v1(164.34,33.61) 164.34,35.76 v1(164.91,36.34)
  vias: v1(151.4,52.97) v1(151.4,51.7) v1(151.4,50.43) v1(152.67,52.97) v1(152.7,50.43) v1(153.94,52.97) v1(153.94,51.7) v1(153.94,50.43) v1(163.44,32.71) v1(164.34,30.02) v1(165.24,30.92) v1(166.13,31.81)
Board_8-Net-(C6-Pad1): length 5.4
  Top w0.25: C6#8.1 168.08,38.15 167.48,37.56 167.48,35.7 165.77,33.99 U2#4.5
Board_8-Net-(C6-Pad2): length 4.8
  Top w0.25: C6#8.2 169.42,36.93 U2#4.4
Board_8-Net-(C10-Pad1): length 3.6
  Top w0.25: C10#2.1 142.79,45.1 143.43,45.74 R11#5.1 144.88,46.22 U1#6.11
Board_8-Net-(C11-Pad1): length 3.4
  Top w0.25: C11#4.1 142.94,49.85 R10.1 145.16,50.31 U1#6.8
Board_8-Net-(C14-Pad2): length 27.3
  Top w0.25: v1(160.04,25.28) 160.02,25.26 154.83,25.26 153.12,26.97 C14#2.2 ; U2#4.6 165.74,34.66 165.74,34.98 v1(166.35,35.59)
  Bottom w0.25: v1(160.04,25.28) 160.02,25.29 160.02,25.82 162,27.8 165.78,27.8 168.53,30.55 168.53,31.19 169.38,32.04 169.38,32.63 166.42,35.59 v1(166.35,35.59)
Board_8-Net-(C17-Pad1): length 2.7
  Top w0.25: C17#7.1 170.17,52.3 U3#2.3
Board_8-Net-(C17-Pad2): length 2.6
  Top w0.25: C17#7.2 172.1,53.26 171.47,52.63 U3#2.1
Board_8-Net-(C20-Pad1): length 2.4
  Top w0.25: U3#2.5 168.87,53.02 C20#4.1
Board_8-Net-(C20-Pad2): length 2.5
  Top w0.25: U3#2.4 169.52,52.7 170.08,53.26 C20#4.2
Board_8-Net-(C21-Pad1): length 4.8
  Top w0.25: C21#3.1 172.59,48.79 v1(171.86,48.06) ; v1(170.52,49.41) 170.82,49.71 U3#2.2
  Bottom w0.25: v1(171.86,48.06) v1(170.52,49.41)
Board_8-Net-(C22-Pad1): length 2.3
  Top w0.25: C22#2.1 168.22,53.04 U3#2.6
Board_8-Net-(C26-Pad1): length 9.8
  Top w0.25: U4#7.4 148.8,9.35 148.36,8.91 R19#9.1 146.98,8.87 R22#4.1 144.41,8.87 C31#6.1 144.04,8.54 C26#3.1 140.25,8.54 140.01,8.78
Board_8-Net-(C28-Pad1): length 2
  Top w0.25: C28.1 148.8,15.56 U4#7.1
Board_8-Net-(C28-Pad2): length 31.4
  Top w0.25: 151.13,17.75 151.13,17.1 154.07,14.16 U4#7.8 171.24,13.73 173.7,11.27 173.7,8.85 ; 151.13,17.75 D8#5.1 ; 151.13,17.75 151.13,17.12 150.55,16.54 C28.2
Board_8-Net-(C29-Pad1): length 1.2
  Top w0.25: R19#9.2 147.03,11.03 C29#8.1
Board_8-Net-(D1-Pad1): length 1.2
  Top w0.25: D1.1 143.17,24.53
Board_8-Net-(D1-Pad2): length 28.8
  Top w0.25: v1(155.87,32.4) 157.41,33.94 157.41,38.26 159.46,40.31 U1#6.24 ; v1(142.54,29.35) 142.54,27.98 D1.2
  Bottom w0.25: v1(142.54,29.35) 142.54,31.26 143.68,32.4 v1(155.87,32.4)
Board_8-Net-(D2-Pad2): length 1.2
  Top w0.25: R12#9.1 D2#5.2
Board_8-Net-(D3-Pad2): length 1.2
  Top w0.25: D3#8.2 R13.2
Board_8-Net-(D9-Pad2): length 1.4
  Top w0.25: R24#3.1 D9#8.2
Board_8-Net-(J2-Pad1): length 17.8
  Top w0.25: J2#6.1 152.32,36.98 146.53,36.98 143.92,39.59 143.92,44.04 U1#6.13
Board_8-Net-(J2-Pad2): length 8.8
  Top w0.25: J2#6.2 150.29,37.45 148.57,37.45 147.88,38.13 147.88,39.4 149.3,40.82 U1#6.16
Board_8-Net-(J2-Pad3): length 11.1
  Top w0.25: U1#6.23 158.19,40.45 151.45,40.45 149.77,38.77 J2#6.3
Board_8-Net-(J2-Pad4): length 5.4
  Top w0.25: U1#6.14 146.57,42.77 146.57,38.77 J2#6.4
Board_8-Net-(Q1-Pad1): length 1.6
  Top w0.25: Q1#6.1 149.16,31.24 R7#4.1
Board_8-Net-(Q2-Pad1): length 1.6
  Top w0.25: Q2#3.1 146.4,29.38 147.51,29.38 R8#2.2
Board_8-Net-(R1-Pad2): length 9.4
  Top w0.25: R2#7.2 138.79,52.74 R1#7.2 141.45,51.71 v1(142.11,52.36) ; U1#6.6 144.42,52.93 143.27,54.08 v1(143.27,54.37)
  Bottom w0.25: v1(142.11,52.36) 143.27,53.53 v1(143.27,54.37)
Board_8-Net-(R4-Pad1): length 1.9
  Top w0.25: R4#4.1 162.25,55.47 U1#6.35
Board_8-Net-(R5-Pad1): length 1.9
  Top w0.25: U1#6.34 162.31,54.27 R5#5.1
Board_8-Net-(R14-Pad2): length 3
  Top w0.25: U2#4.20 161.47,27.56 161.47,27.25
Board_8-Net-(R17-Pad1): length 13.4
  Top w0.25: v1(159.56,32.81) 160.28,33.53 160.28,35.54 R18#6.2 ; v1(158.13,32.02) 158.13,31.94 R17#6.1 161.25,29.46 U2#4.17
  Bottom w0.25: v1(158.13,32.02) 158.76,32.02 v1(159.56,32.81)
Board_8-Net-(R21-Pad2): length 11
  Top w0.25: U5#5.9 132.21,36.78 131.26,37.73 131.26,41.48 130.01,42.73 R21#4.2
Board_8-Net-(R23-Pad2): length 1.7
  Top w0.25: U5#5.11 131.61,35.78 R23#9.2
Board_8-Net-(S1-Pad3): length 20.9
  Top w0.25: U3#2.14 170.17,46.45 171.14,47.41 171.14,48.36 174.03,51.26 174.53,51.26 174.79,51.53 174.79,57.16 170.48,61.47 170.48,62.22

## Copper pours and planes (outline as drawn; the poured copper is in the pictures)
Board_0-GND on Bottom: 64.17,137.56 7.03,137.56 7.04,197.87 49.31,197.89 49.28,191.35 64.17,191.29
Board_1-GND on Bottom: 123.32,137.56 66.18,137.56 66.19,197.87 108.46,197.89 108.43,191.35 123.32,191.29
Board_2-GND on Bottom: 182.47,137.56 125.33,137.56 125.34,197.87 167.61,197.89 167.58,191.35 182.47,191.29
Board_3-GND on Bottom: 64.17,72.26 7.03,72.26 7.04,132.57 49.31,132.59 49.28,126.05 64.17,125.99
Board_4-GND on Bottom: 123.32,72.26 66.18,72.26 66.19,132.57 108.46,132.59 108.43,126.05 123.32,125.99
Board_5-GND on Bottom: 182.47,72.26 125.33,72.26 125.34,132.57 167.61,132.59 167.58,126.05 182.47,125.99
Board_6-GND on Bottom: 64.17,6.96 7.03,6.96 7.04,67.27 49.31,67.29 49.28,60.75 64.17,60.69
Board_7-GND on Bottom: 123.32,6.96 66.18,6.96 66.19,67.27 108.46,67.29 108.43,60.75 123.32,60.69
Board_8-GND on Bottom: 182.47,6.96 125.33,6.96 125.34,67.27 167.61,67.29 167.58,60.75 182.47,60.69

## Text on the board
B.Silkscreen: TDI | TDO | TCK | JTAG | TMS | Shift Down | RS232 Out | RS 232 In | Shift Up | Ground | GND | VDC | B2 | A1 | B1 | A2 | Designed By ACEQ | Rev. 2.4
User.Comments: V-CUT
F.Silkscreen: GND | RSIN | VDC | SHUP | RSOUT | SHDWN | SHFTU | SHFTD | PWR | ACT | EN | BOOT | A1 | A2 | B2 | B1 | TDI | TDO | TCK | TMS
